# KiCad board EnvKB_HS.kicad_pcb (continued)
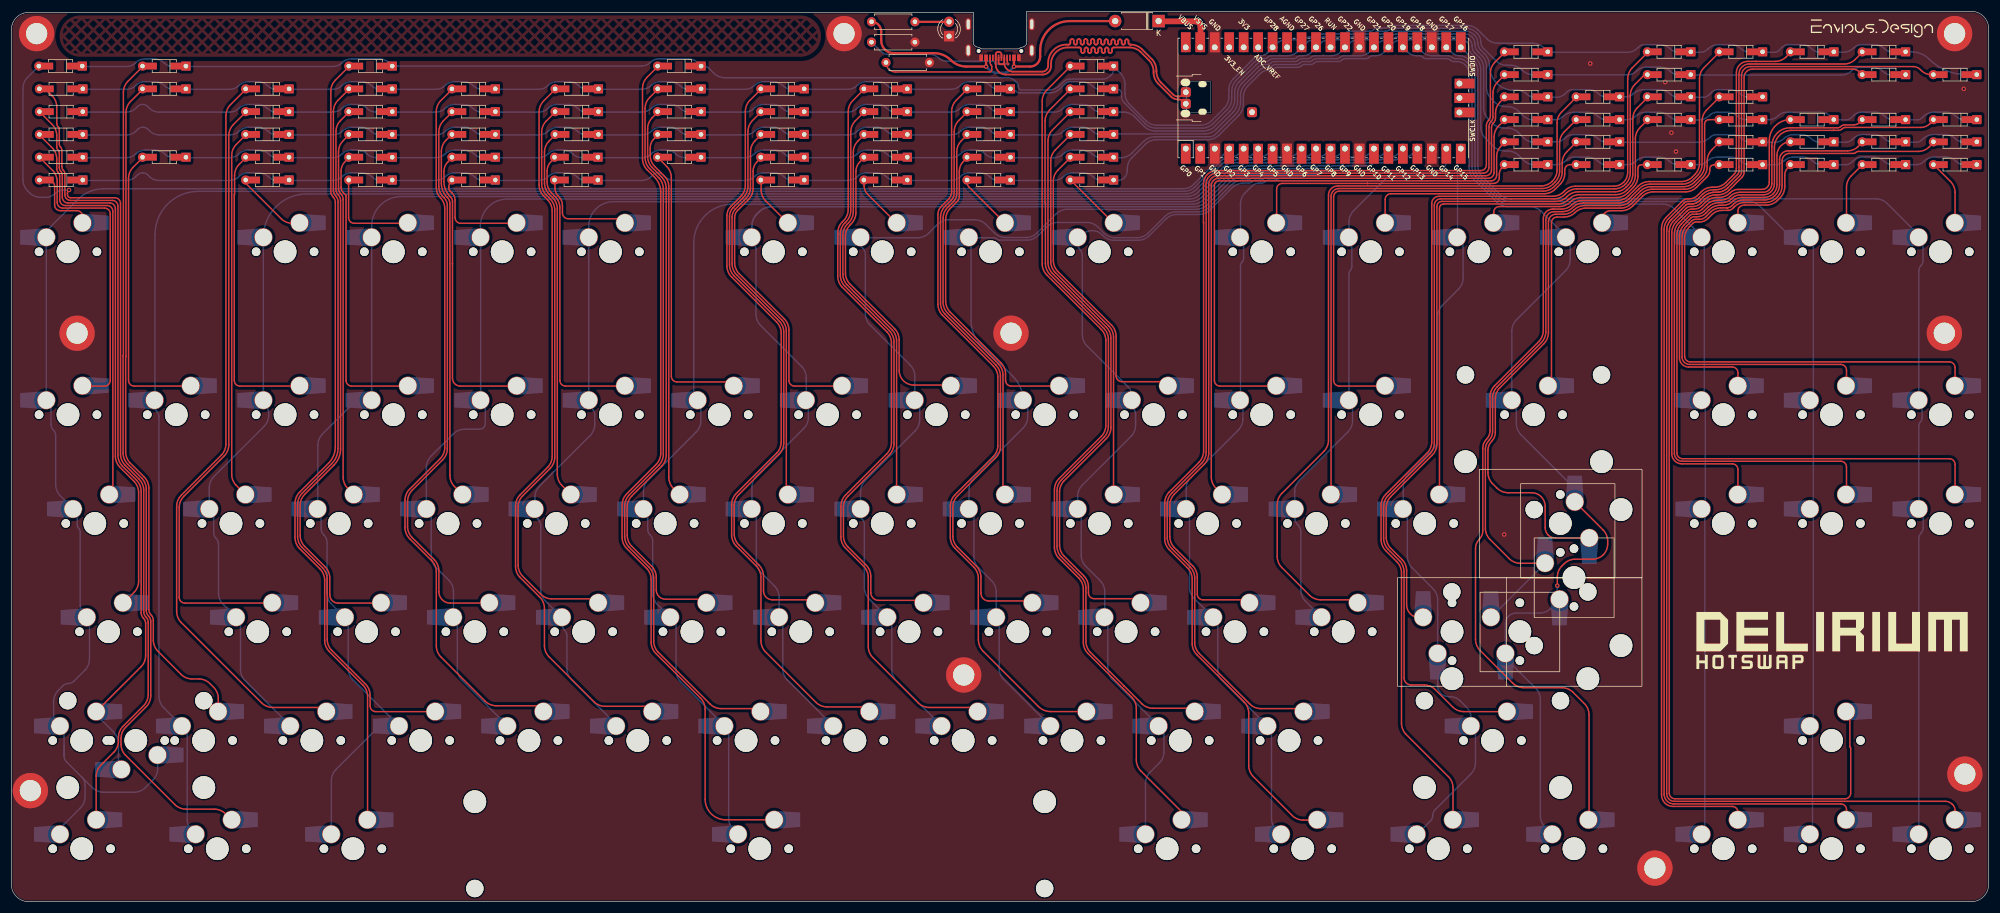
[diagram p0: board, top side]
## Routing (per net, layer and track width the routed paths; a pad name or vN(x,y) marks a point on that pad's centre or on a via; arc(x,y) is an arc through that point) (continued)
row4: length 320.5
  Bottom w0.25: 307.36,141.2 305,141.2 arc(304.12,141.38) 303.37,141.88 arc(302.63,142.37) 301.74,142.55 299.55,142.55 arc(298.88,142.42) 298.31,142.03 297.88,141.6 arc(297.43,141.3) 296.9,141.2 292.65,141.2 arc(291.77,141.38) 291.02,141.88 arc(290.28,142.37) 289.39,142.55 286.54,142.55 arc(285.44,142.33) 284.51,141.71 arc(284.04,141.4) 283.48,141.28 D61.1 279.9,141.28 arc(279.13,141.44) 278.47,141.88 arc(277.73,142.37) 276.84,142.55 273.98,142.55 arc(273.44,142.44) 272.98,142.13 272.71,141.86 arc(271.98,141.37) 271.12,141.2 267.35,141.2 arc(266.58,141.35) 265.93,141.78 arc(265.19,142.28) 264.3,142.46 263.5,142.46 arc(262.03,142.75) 260.78,143.58 260.69,143.68 arc(259.73,145.12) 259.39,146.82 259.39,146.86 arc(259.18,147.9) 258.59,148.78 257.89,149.48 arc(257.5,150.08) 257.36,150.78 arc(257.21,151.48) 256.82,152.08 256.72,152.18 arc(256.02,152.65) 255.19,152.81 242.73,152.81 arc(242.4,152.75) 242.12,152.56 arc(241.83,152.37) 241.5,152.31 240.19,152.31 arc(239.86,152.24) 239.57,152.05 arc(239.29,151.86) 238.96,151.8 235.36,151.8 arc(235.03,151.73) 234.75,151.54 arc(234.47,151.36) 234.14,151.29 231.27,151.29 arc(230.41,151.12) 229.68,150.63 228.14,149.09 arc(227.48,148.65) 226.7,148.5 226.22,148.5 arc(225.89,148.43) 225.61,148.24 arc(225.32,148.05) 224.99,147.99 221.39,147.99 arc(221.06,147.92) 220.78,147.73 arc(220.5,147.55) 220.17,147.48 219.76,147.48 arc(219.06,147.34) 218.46,146.94 215.48,143.96 arc(214.89,143.08) 214.68,142.03 214.68,140.73 arc(214.48,139.69) 213.89,138.81 211.16,136.08 arc(210.28,135.49) 209.24,135.29 200.75,135.29 arc(199.71,135.49) 198.82,136.08 197.1,137.8 arc(196.22,138.39) 195.18,138.6 191.27,138.6 arc(190.39,138.78) 189.64,139.27 arc(188.9,139.77) 188.01,139.95 186.26,139.95 arc(185.38,139.77) 184.63,139.27 arc(183.89,138.78) 183,138.6 173.42,138.6 arc(172.54,138.78) 171.79,139.27 arc(171.05,139.77) 170.16,139.95 168.16,139.95 arc(167.28,139.77) 166.53,139.27 arc(165.79,138.78) 164.9,138.6 155.27,138.6 arc(154.39,138.78) 153.64,139.27 arc(152.9,139.77) 152.01,139.95 150.06,139.95 arc(149.18,139.77) 148.43,139.27 arc(147.69,138.78) 146.8,138.6 139.16,138.6 ; 84.91,138.6 92.55,138.6 arc(93.44,138.78) 94.18,139.27 arc(94.93,139.77) 95.81,139.95 97.74,139.95 arc(98.63,139.77) 99.37,139.27 arc(100.12,138.78) 101,138.6 110.65,138.6 arc(111.54,138.78) 112.28,139.27 arc(113.03,139.77) 113.91,139.95 115.74,139.95 arc(116.63,139.77) 117.37,139.27 arc(118.12,138.78) 119,138.6 128.75,138.6 arc(129.64,138.78) 130.38,139.27 arc(131.13,139.77) 132.01,139.95 133.66,139.95 arc(134.55,139.77) 135.29,139.27 arc(136.04,138.78) 136.92,138.6 139.21,138.6 ; 12.56,138.6 20.2,138.6 arc(21.09,138.78) 21.83,139.27 22.14,139.58 arc(22.55,139.85) 23.03,139.95 arc(23.52,139.85) 23.93,139.58 24.23,139.27 arc(24.98,138.78) 25.86,138.6 38.3,138.6 arc(39.19,138.78) 39.93,139.27 arc(40.68,139.77) 41.56,139.95 43.26,139.95 arc(44.15,139.77) 44.89,139.27 arc(45.64,138.78) 46.52,138.6 56.4,138.6 arc(57.29,138.78) 58.03,139.27 arc(58.78,139.77) 59.66,139.95 60.76,139.95 arc(61.64,139.77) 62.39,139.27 arc(63.14,138.78) 64.02,138.6 74.5,138.6 arc(75.39,138.78) 76.13,139.27 arc(76.88,139.77) 77.76,139.95 79.34,139.95 arc(80.23,139.77) 80.97,139.27 arc(81.72,138.78) 82.6,138.6 84.96,138.6
row5: length 344.5
  Bottom w0.25: 294.86,145.1 321.05,145.1 arc(322.11,145.31) 323.01,145.91 arc(323.61,146.31) 324.31,146.45 326.79,146.45 arc(327.68,146.27) 328.42,145.77 arc(329.17,145.28) 330.05,145.1 332.48,145.1 ; 294.83,145.15 292.67,145.15 arc(291.79,145.33) 291.04,145.82 arc(290.3,146.32) 289.41,146.5 286.9,146.5 arc(286,146.32) 285.23,145.81 arc(284.5,145.32) 283.64,145.15 269.71,145.15 ; 84.91,142.6 92.55,142.6 arc(93.44,142.78) 94.18,143.27 arc(94.93,143.77) 95.81,143.95 97.89,143.95 arc(98.78,143.77) 99.52,143.27 arc(100.27,142.78) 101.15,142.6 110.65,142.6 arc(111.54,142.78) 112.28,143.27 arc(113.03,143.77) 113.91,143.95 115.66,143.95 arc(116.55,143.77) 117.29,143.27 arc(118.04,142.78) 118.92,142.6 128.75,142.6 arc(129.64,142.78) 130.38,143.27 arc(131.13,143.77) 132.01,143.95 133.74,143.95 arc(134.63,143.77) 135.37,143.27 arc(136.12,142.78) 137,142.6 139.21,142.6 ; 84.96,142.6 82.65,142.6 arc(81.77,142.78) 81.02,143.27 arc(80.28,143.77) 79.39,143.95 77.76,143.95 arc(76.88,143.77) 76.13,143.27 arc(75.39,142.78) 74.5,142.6 64.8,142.6 arc(63.92,142.78) 63.17,143.27 arc(62.43,143.77) 61.54,143.95 59.66,143.95 arc(58.78,143.77) 58.03,143.27 arc(57.29,142.78) 56.4,142.6 46.55,142.6 arc(45.67,142.78) 44.92,143.27 arc(44.18,143.77) 43.29,143.95 41.56,143.95 arc(40.68,143.77) 39.93,143.27 arc(39.19,142.78) 38.3,142.6 28.45,142.6 arc(27.57,142.78) 26.82,143.27 arc(26.08,143.77) 25.19,143.95 23.46,143.95 arc(22.58,143.77) 21.83,143.27 arc(21.09,142.78) 20.2,142.6 12.56,142.6 ; 139.16,142.6 146.8,142.6 arc(147.69,142.78) 148.43,143.27 arc(149.18,143.77) 150.06,143.95 152.09,143.95 arc(152.98,143.77) 153.72,143.27 arc(154.47,142.78) 155.35,142.6 164.9,142.6 arc(165.79,142.78) 166.53,143.27 arc(167.28,143.77) 168.16,143.95 170.14,143.95 arc(171.03,143.77) 171.77,143.27 arc(172.52,142.78) 173.4,142.6 175.53,142.6 arc(175.93,142.52) 176.28,142.29 arc(176.62,142.06) 177.03,141.98 182.21,141.98 arc(183.25,142.19) 184.13,142.78 184.95,143.59 arc(185.35,143.86) 185.81,143.95 187.96,143.95 arc(188.85,143.77) 189.59,143.27 arc(190.34,142.78) 191.22,142.6 194.12,142.6 arc(194.4,142.55) 194.63,142.39 arc(194.78,142.16) 194.83,141.89 194.83,141.45 arc(194.97,140.78) 195.35,140.21 198.97,136.59 arc(199.85,136) 200.89,135.8 208.98,135.8 arc(210.03,136) 210.91,136.59 213.38,139.06 arc(213.97,139.94) 214.18,140.99 214.18,142.29 arc(214.38,143.33) 214.97,144.21 218.21,147.45 arc(218.81,147.85) 219.51,147.99 219.91,147.99 arc(220.24,148.05) 220.52,148.24 arc(220.81,148.43) 221.14,148.5 223.96,148.5 arc(224.92,148.69) 225.74,149.23 227.22,150.72 arc(227.86,151.14) 228.61,151.29 229.06,151.29 arc(229.39,151.36) 229.67,151.54 arc(229.95,151.73) 230.28,151.8 233.88,151.8 arc(234.21,151.86) 234.5,152.05 arc(234.78,152.24) 235.11,152.31 238.71,152.31 arc(239.04,152.37) 239.32,152.56 arc(239.6,152.75) 239.93,152.81 241.25,152.81 arc(241.58,152.88) 241.86,153.07 arc(242.14,153.25) 242.47,153.32 255.26,153.32 arc(256.26,153.12) 257.1,152.56 257.32,152.34 arc(257.72,151.74) 257.86,151.03 arc(258,150.33) 258.4,149.73 260.56,147.58 arc(261.39,147.02) 262.37,146.82 263.16,146.82 arc(264.2,146.62) 265.08,146.03 265.14,145.97 arc(266.02,145.38) 267.06,145.18 269.68,145.18
row6: length 356.1
  Bottom w0.25: D87.1 333.48,149.19 arc(335.15,148.85) 336.56,147.91 arc(339.58,145.89) 343.14,145.19 D88.1 ; 12.56,146.6 20.2,146.6 arc(21.09,146.78) 21.83,147.27 arc(22.58,147.77) 23.46,147.95 25.14,147.95 arc(26.03,147.77) 26.77,147.27 arc(27.52,146.78) 28.4,146.6 56.4,146.6 arc(57.29,146.78) 58.03,147.27 arc(58.78,147.77) 59.66,147.95 64.67,147.95 arc(65.5,147.79) 66.2,147.32 arc(66.9,146.85) 67.73,146.69 110.59,146.69 arc(111.41,146.85) 112.12,147.32 arc(112.82,147.79) 113.64,147.95 118.87,147.95 arc(119.7,147.79) 120.4,147.32 ; 332.48,149.1 330.3,149.1 arc(329.42,149.28) 328.67,149.77 arc(327.93,150.27) 327.04,150.45 324.73,150.45 arc(323.96,150.3) 323.31,149.86 arc(322.47,149.3) 321.47,149.1 317.52,149.1 arc(316.64,149.28) 315.89,149.77 arc(315.15,150.27) 314.26,150.45 311.85,150.45 arc(311.27,150.34) 310.78,150.01 310.15,149.38 arc(309.84,149.17) 309.48,149.1 305.15,149.1 arc(304.27,149.28) 303.52,149.77 arc(302.78,150.27) 301.89,150.45 299.58,150.45 arc(298.58,150.25) 297.73,149.69 297.7,149.65 arc(297.09,149.24) 296.37,149.1 292.67,149.1 arc(291.79,149.28) 291.04,149.77 arc(290.3,150.27) 289.41,150.45 286.62,150.45 arc(286.05,150.34) 285.56,150.01 285.39,149.85 arc(284.57,149.29) 283.59,149.1 270.83,149.1 arc(269.79,149.31) 268.91,149.9 268.9,149.9 arc(268.02,150.49) 266.98,150.7 260.85,150.7 arc(259.81,150.91) 258.93,151.5 257.39,153.03 arc(256.51,153.62) 255.47,153.83 242.22,153.83 arc(241.89,153.76) 241.61,153.57 arc(241.33,153.39) 240.99,153.32 239.68,153.32 arc(239.35,153.25) 239.07,153.07 arc(238.79,152.88) 238.45,152.81 234.85,152.81 arc(234.52,152.75) 234.24,152.56 arc(233.96,152.37) 233.63,152.31 230.03,152.31 arc(229.7,152.24) 229.42,152.05 arc(229.13,151.86) 228.8,151.8 227.74,151.8 arc(227.41,151.73) 227.13,151.54 arc(226.85,151.36) 226.52,151.29 223.65,151.29 arc(222.79,151.12) 222.06,150.63 220.43,149 arc(219.87,148.63) 219.21,148.5 arc(218.55,148.36) 217.99,147.99 214.46,144.47 arc(213.87,143.58) 213.67,142.54 213.67,141.24 arc(213.46,140.2) 212.87,139.32 210.65,137.1 arc(209.77,136.51) 208.73,136.3 204.76,136.3 arc(204.76,136.3) 204.76,136.3 arc(204.76,136.3) 204.76,136.3 201.02,136.3 arc(199.98,136.51) 199.1,137.1 196.23,139.96 arc(195.64,140.85) 195.43,141.89 195.43,143.5 arc(195.23,144.54) 194.64,145.42 193.83,146.23 ; 121.53,146.69 arc(121.99,146.59) 122.39,146.33 123.29,145.43 arc(124.17,144.84) 125.21,144.63 174.8,144.63 arc(175.53,144.49) 176.15,144.08 176.47,143.76 arc(176.65,143.49) 176.71,143.18 176.71,143.09 arc(176.75,142.86) 176.88,142.66 arc(177.08,142.54) 177.3,142.49 182.08,142.49 arc(183.13,142.7) 184.01,143.29 184.68,143.96 arc(185.17,144.29) 185.74,144.4 191.48,144.4 arc(192.24,144.55) 192.88,144.98 193.09,145.19 arc(193.36,145.6) 193.46,146.08
USB2_N: length 56.1
  Top w0.3: USB1.A7 173.25,147.24 arc(173.32,147.07) 173.49,147 174.01,147 arc(174.18,147.07) 174.25,147.24 ; 174.25,147.24 USB1.B7 ; 174.25,147.24 arc(174.7,146.15) 175.79,145.7 180.89,145.7 arc(181.64,146.01) 181.95,146.76 181.95,147.24 arc(182.89,149.51) 185.16,150.45 185.55,150.45 arc(185.76,150.54) 185.85,150.75 185.85,151.15 arc(185.94,151.36) 186.15,151.45 arc(186.36,151.36) 186.45,151.15 186.45,150.75 arc(186.54,150.54) 186.75,150.45 arc(186.96,150.54) 187.05,150.75 187.05,151.15 arc(187.14,151.36) 187.35,151.45 arc(187.56,151.36) 187.65,151.15 187.65,150.75 arc(187.74,150.54) 187.95,150.45 arc(188.16,150.54) 188.25,150.75 188.25,151.15 arc(188.34,151.36) 188.55,151.45 arc(188.76,151.36) 188.85,151.15 188.85,150.75 arc(188.94,150.54) 189.15,150.45 arc(189.36,150.54) 189.45,150.75 189.45,151.15 arc(189.54,151.36) 189.75,151.45 arc(189.96,151.36) 190.05,151.15 190.05,150.75 arc(190.14,150.54) 190.35,150.45 arc(190.56,150.54) 190.65,150.75 190.65,151.15 arc(190.74,151.36) 190.95,151.45 arc(191.16,151.36) 191.25,151.15 191.25,150.75 arc(191.34,150.54) 191.55,150.45 arc(191.76,150.54) 191.85,150.75 191.85,151.08 arc(191.94,151.3) 192.15,151.38 arc(192.36,151.3) 192.45,151.08 192.45,150.75 arc(192.54,150.54) 192.75,150.45 arc(192.96,150.54) 193.05,150.75 193.05,151.08 arc(193.14,151.3) 193.35,151.38 arc(193.56,151.3) 193.65,151.08 193.65,150.75 arc(193.74,150.54) 193.95,150.45 arc(194.16,150.54) 194.25,150.75 194.25,151.08 arc(194.34,151.3) 194.55,151.38 arc(194.76,151.3) 194.85,151.08 194.85,150.75 arc(194.94,150.54) 195.15,150.45 arc(195.36,150.54) 195.45,150.75 195.45,151.08 arc(195.54,151.3) 195.75,151.38 arc(195.96,151.3) 196.05,151.08 196.05,150.75 arc(196.14,150.54) 196.35,150.45 196.48,150.45 arc(197.52,150.24) 198.4,149.65 200.15,147.9 arc(200.74,147.02) 200.95,145.98 200.95,145.73 arc(201.16,144.69) 201.75,143.81 203.82,141.73 arc(204.26,141.44) 204.78,141.33 204.8,141.33 arc(205.3,141.43) 205.72,141.72
USB2_P: length 53
  Top w0.3: USB1.A6 173.75,148.75 arc(173.63,149.03) 173.35,149.15 173.1,149.15 arc(172.85,149.05) 172.75,148.8 172.75,146.92 arc(173.25,145.7) 174.47,145.2 181.02,145.2 arc(182.03,145.62) 182.45,146.63 182.45,147.04 arc(183.3,149.1) 185.36,149.95 187.44,149.95 arc(187.66,149.86) 187.74,149.65 187.74,149.26 arc(187.83,149.04) 188.04,148.96 arc(188.26,149.04) 188.34,149.26 188.34,149.65 arc(188.43,149.86) 188.64,149.95 arc(188.86,149.86) 188.94,149.65 188.94,149.26 arc(189.03,149.04) 189.24,148.96 arc(189.46,149.04) 189.54,149.26 189.54,149.65 arc(189.63,149.86) 189.84,149.95 arc(190.06,149.86) 190.14,149.65 190.14,149.26 arc(190.23,149.04) 190.44,148.96 arc(190.66,149.04) 190.74,149.26 190.74,149.65 arc(190.83,149.86) 191.04,149.95 arc(191.26,149.86) 191.34,149.65 191.34,149.26 arc(191.43,149.04) 191.64,148.96 arc(191.86,149.04) 191.94,149.26 191.94,149.65 arc(192.03,149.86) 192.24,149.95 arc(192.46,149.86) 192.54,149.65 192.54,149.26 arc(192.63,149.04) 192.84,148.96 arc(193.06,149.04) 193.14,149.26 193.14,149.65 arc(193.23,149.86) 193.44,149.95 196.27,149.95 arc(197.31,149.74) 198.19,149.15 199.65,147.69 arc(200.24,146.81) 200.45,145.77 200.45,145.52 arc(200.66,144.48) 201.25,143.6 203.54,141.31 arc(204.06,140.96) 204.68,140.83 204.8,140.83 arc(205.3,140.74) 205.72,140.45
USBVBUS: length 56.1
  Top w0.4: D89.2 185.74,154.58 arc(182.07,153.06) 180.55,149.4 180.55,148.36 arc(180.03,147.12) 178.79,146.6 v1(175.95,146.6) USB1.A4 ; USB1.A9 v1(171.05,146.6) 167.63,146.6 arc(166.12,146.9) 164.85,147.75 arc(163.52,148.64) 161.95,148.95 154.85,148.95 arc(153.29,149.59) 152.65,151.15 152.65,152.76 arc(152.15,153.96) LEDRESISTOR1.1
  Bottom w0.4: v1(171.05,146.6) 171.6,146.05 arc(172.21,145.64) 172.93,145.5 174.07,145.5 arc(174.79,145.64) 175.4,146.05 v1(175.95,146.6)
VSYS: length 11.5
  Top w1: 201.34,154.53 207.69,154.53 arc(208.4,154.24) 208.69,153.54 208.69,149.97
Net-(D0-A): length 10.9
  Top w0.25: 6.58,126.6 arc(7.29,126.31) 7.58,125.6 7.58,122.3 arc(7.88,121.59) 8.58,121.3 11.5,121.3 arc(12.21,121.01) 12.5,120.3
Net-(D1-A): length 10.9
  Top w0.25: 41.14,126.1 47.36,119.88 arc(48.24,119.29) 49.28,119.08
Net-(D2-A): length 17.5
  Top w0.25: 69.65,119.08 60.18,119.08 arc(59.47,119.37) 59.18,120.08 59.18,126.54
Net-(D3-A): length 18.2
  Top w0.25: 88.7,119.08 78.86,119.08 arc(78.15,119.37) 77.86,120.08 77.86,123.19 arc(77.73,123.83) 77.36,124.38 76.98,124.76 arc(76.82,125.01) 76.76,125.3 76.76,125.44 arc(76.87,125.98) 77.17,126.43
Net-(D4-A): length 16.4
  Top w0.25: 106.94,119.88 97.71,119.88 arc(97,120.18) 96.71,120.88 96.71,122.2 arc(96.54,123.07) 96.05,123.8 95.97,123.87 arc(95.54,124.52) 95.39,125.28 95.39,126.1
Net-(D5-A): length 9.4
  Top w0.25: 136.32,119.08 132.37,123.03 arc(131.79,123.91) 131.58,124.95 131.58,126.6
Net-(D6-A): length 9.8
  Top w0.25: 149.64,126.6 149.64,125.71 arc(149.8,124.88) 150.27,124.18 155.37,119.08
Net-(D7-A): length 9.8
  Top w0.25: 174.42,119.08 168.03,125.47 arc(167.81,125.8) 167.74,126.18
Net-(D8-A): length 10.6
  Top w0.25: 193.47,119.08 185.95,126.6
Net-(D9-A): length 48.1
  Top w0.25: 222.05,119.08 222.05,125.09 arc(222.34,125.79) 223.05,126.09 237.97,126.09 260.13,126.09 arc(260.84,126.38) 261.13,127.09 261.13,127.72 arc(261.26,128.34) 261.61,128.87
Net-(D10-A): length 41.3
  Top w0.25: 241.1,119.08 241.1,123.28 arc(241.39,123.98) 242.1,124.28 269.01,124.28 arc(270.06,124.48) 270.94,125.07 271.87,126 arc(272.42,126.82) 272.61,127.79 272.61,128.44 arc(272.68,128.8) 272.89,129.11 arc(273.19,129.31) 273.56,129.38 D10.2
Net-(D11-A): length 33.7
  Top w0.25: 260.15,119.08 260.15,121.03 arc(260.44,121.73) 261.15,122.03 271.68,122.03 arc(272.71,122.23) 273.58,122.81 arc(274.46,123.4) 275.49,123.6 281.72,123.6 arc(282.76,123.81) 283.64,124.4 284.66,125.42 arc(285.25,126.3) 285.46,127.34 285.46,128.8 arc(285.5,129.01) 285.62,129.19 arc(285.8,129.31) 286,129.35 287.19,129.35
Net-(D12-A): length 24.4
  Top w0.25: 299.74,129.35 298.79,129.35 arc(298.51,129.29) 298.27,129.13 arc(298.11,128.9) 298.06,128.61 298.06,128.32 arc(297.95,127.76) 297.63,127.29 295.75,125.41 arc(294.86,124.82) 293.82,124.61 288.16,124.61 arc(287.12,124.4) 286.24,123.81 284.52,122.09 arc(283.63,121.5) 282.59,121.3 280.68,121.3 arc(280.11,121.18) 279.63,120.86 279.2,120.43
Net-(D13-A): length 16.9
  Top w0.25: 312.29,129.35 311.76,128.82 arc(311.36,128.23) 311.23,127.54 311.23,125.5 arc(311.02,124.45) 310.43,123.57 309.93,123.08 arc(309.05,122.49) 308.01,122.28 304.16,122.28 arc(303.68,122.18) 303.27,121.91 arc(303.08,121.62) 303.01,121.29 303.01,119.08
Net-(D14-A): length 11.3
  Top w0.25: 324.84,129.35 322.86,127.37 arc(322.27,126.49) 322.06,125.45 322.06,119.08
Net-(D15-A): length 11.7
  Top w0.25: 337.39,129.35 340.31,126.42 arc(340.9,125.54) 341.11,124.5 341.11,119.08
Net-(D16-A): length 54.2
  Top w0.25: D16.2 7.24,128.36 arc(7.83,127.48) 8.03,126.44 8.03,122.75 arc(8.33,122.04) 9.03,121.75 16.35,121.75 arc(17.06,121.46) 17.35,120.75 17.35,91.5 arc(17.06,90.8) 16.35,90.5 12.5,90.5
Net-(D17-A): length 51.6
  Top w0.25: 31.55,90.5 21.56,90.5 arc(20.85,90.8) 20.56,91.5 20.56,126.99 arc(20.76,128.03) 21.35,128.91 23.04,130.6
Net-(D18-A): length 51.9
  Top w0.25: 41.14,130.6 39.97,129.43 arc(39.38,128.55) 39.17,127.5 39.17,124.23 arc(39.16,124.19) 39.14,124.16 arc(39.12,124.13) 39.11,124.09 39.11,91.5 arc(39.4,90.8) 40.11,90.5 50.6,90.5
Net-(D19-A): length 51.4
  Top w0.25: 59.24,130.6 58.55,129.91 arc(58.04,129.15) 57.86,128.24 57.86,125.45 arc(57.97,124.9) 58.28,124.42 58.7,124.01 arc(58.71,124) 58.72,124 arc(58.72,124) 58.73,123.99 58.73,91.5 arc(59.02,90.8) 59.73,90.5 69.65,90.5
Net-(D20-A): length 51.7
  Top w0.25: 77.34,130.6 76.62,129.88 arc(76.09,129.09) 75.91,128.16 75.91,126.46 arc(76.2,124.97) 77.04,123.71 77.13,123.63 arc(77.34,123.32) 77.41,122.95 77.41,111.97 arc(77.41,111.97) 77.41,111.97 77.41,91.88 arc(77.81,90.91) 78.79,90.5 88.7,90.5
Net-(D21-A): length 52.3
  Top w0.25: 107.75,90.5 97.26,90.5 arc(96.55,90.8) 96.26,91.5 96.26,121.82 arc(96.05,122.86) 95.46,123.75 94.8,124.4 arc(94.22,125.29) 94.01,126.33 94.01,128.24 arc(94.19,129.15) 94.7,129.91 95.39,130.6
Net-(D22-A): length 50
  Top w0.25: 113.48,130.6 115.02,129.06 arc(115.61,128.17) 115.82,127.13 115.82,92.23 arc(116.11,91.52) 116.82,91.23 126.07,91.23
Net-(D23-A): length 54.4
  Top w0.25: 131.57,130.6 130.86,129.89 arc(130.34,129.11) 130.16,128.19 130.16,125.18 arc(129.95,124.14) 129.36,123.25 127.45,121.35 arc(127.06,120.76) 126.93,120.07 126.93,112.16 arc(127.13,111.12) 127.72,110.23 135.65,102.3 arc(136.24,101.42) 136.45,100.38 136.45,91.5 arc(136.74,90.8) 137.45,90.5 145.85,90.5
Net-(D24-A): length 52.6
  Top w0.25: 149.64,130.6 148.92,129.88 arc(148.39,129.09) 148.21,128.16 148.21,120.94 arc(148,119.9) 147.41,119.02 147.17,118.78 arc(146.58,117.89) 146.38,116.85 146.38,110.33 arc(146.58,109.29) 147.17,108.41 155,100.58 arc(155.59,99.69) 155.8,98.65 155.8,93.25 arc(156.55,91.44) 158.37,90.68 164.9,90.68
Net-(D25-A): length 54.6
  Top w0.25: 183.95,90.5 175.47,90.5 arc(174.77,90.8) 174.47,91.5 174.47,92.65 arc(174.27,93.69) 173.68,94.58 164.75,103.5 arc(164.17,104.38) 163.96,105.42 163.96,119.77 arc(164.17,120.81) 164.75,121.7 166.02,122.96 arc(166.27,123.34) 166.36,123.78 166.36,128.24 arc(166.54,129.15) 167.05,129.91 167.74,130.6
Net-(D26-A): length 53.5
  Top w0.25: 185.84,130.6 183.65,128.42 arc(183.07,127.53) 182.86,126.49 182.86,112.55 arc(183.07,111.51) 183.65,110.62 193.08,101.2 arc(193.67,100.32) 193.87,99.28 193.87,92.28 arc(194.17,91.57) 194.87,91.28 203,91.28
Net-(D27-A): length 102.6
  Top w0.25: 222.05,90.5 212.13,90.5 arc(211.42,90.8) 211.13,91.5 211.13,125.78 arc(211.35,126.31) 211.88,126.54 259.66,126.54 arc(260.37,126.83) 260.66,127.54 260.66,130.86 arc(260.84,131.79) 261.37,132.59 262.09,133.3
Net-(D28-A): length 90.5
  Top w0.25: 241.1,90.5 233.05,90.5 arc(232.34,90.8) 232.05,91.5 232.05,123.73 arc(232.34,124.44) 233.05,124.73 268.84,124.73 arc(269.88,124.94) 270.76,125.53 271.36,126.13 arc(271.95,127.01) 272.16,128.05 272.16,129.69 arc(272.37,130.73) 272.95,131.62 274.64,133.3
Net-(D29-A): length 64.6
  Top w0.25: 270.28,91.11 270.28,119.19 arc(270.58,119.89) 271.28,120.19 272.52,120.19 arc(273.54,120.39) 274.41,120.97 arc(275.27,121.54) 276.29,121.75 282.41,121.75 arc(283.45,121.95) 284.33,122.54 286.05,124.26 arc(286.93,124.85) 287.97,125.06 293.64,125.06 arc(294.68,125.27) 295.56,125.86 296.81,127.11 arc(297.4,127.99) 297.61,129.03 297.61,130.04 arc(297.81,131.08) 298.4,131.97 299.74,133.3
Net-(D30-A): length 65.7
  Top w0.25: 303.01,90.5 303.01,92.85 arc(302.72,93.56) 302.01,93.85 294.34,93.85 arc(293.22,94.32) 292.75,95.45 292.75,116.88 arc(292.96,117.92) 293.55,118.8 294.74,120 arc(295,120.17) 295.3,120.22 295.85,120.22 arc(296.65,120.39) 297.34,120.84 297.95,121.45 arc(298.83,122.04) 299.87,122.25 300.42,122.25 arc(301.32,122.43) 302.08,122.94 arc(302.85,123.45) 303.75,123.63 307.63,123.63 arc(308.48,123.8) 309.21,124.28 arc(309.69,125.01) 309.86,125.86 309.86,131.03 arc(310.55,132.7) D30.2
Net-(D31-A): length 95.9
  Top w0.25: 322.06,90.5 322.06,93.3 arc(321.77,94.01) 321.06,94.3 294.5,94.3 arc(293.58,94.69) 293.2,95.61 293.2,116.69 arc(293.41,117.73) 294,118.61 294.86,119.48 arc(295.19,119.7) 295.58,119.77 296.24,119.77 arc(296.86,119.9) 297.38,120.24 298.18,121.04 arc(299.01,121.6) 300,121.8 301.07,121.8 arc(301.54,121.89) 301.94,122.16 302.23,122.45 arc(303.04,122.99) 304,123.18 307.63,123.18 arc(308.65,123.38) 309.52,123.96 arc(310.1,124.83) 310.31,125.86 310.31,130.32 arc(310.74,131.37) 311.79,131.8 322.28,131.8 arc(323.26,131.99) 324.09,132.55 324.84,133.3
Net-(D32-A): length 126.5
  Top w0.25: 341.11,90.5 341.11,93.76 arc(340.82,94.46) 340.11,94.75 294.65,94.75 arc(293.94,95.05) 293.65,95.75 293.65,116.5 arc(293.86,117.54) 294.45,118.43 295.13,119.11 arc(295.35,119.26) 295.61,119.31 296.25,119.31 arc(297.07,119.47) 297.76,119.94 298.45,120.63 arc(299.25,121.16) 300.19,121.35 301.27,121.35 arc(301.73,121.44) 302.12,121.7 302.46,122.04 arc(303.22,122.55) 304.12,122.73 307.82,122.73 arc(308.86,122.94) 309.75,123.53 309.96,123.74 arc(310.55,124.62) 310.76,125.66 310.76,130.04 arc(311.14,130.97) 312.07,131.35 323.28,131.35 arc(323.51,131.4) 323.7,131.52 arc(323.89,131.65) 324.12,131.7 334.66,131.7 arc(335.7,131.91) 336.58,132.5 337.39,133.3
Net-(D33-A): length 72.3
  Top w0.25: 17.8,71.99 17.8,121.2 arc(17.51,121.91) 16.8,122.2 9.48,122.2 arc(8.78,122.49) 8.48,123.2 8.48,127.38 arc(8.41,127.72) 8.22,128.01 arc(8.03,128.3) 7.96,128.65 7.96,130.41 arc(7.75,131.45) 7.16,132.33 4.91,134.58
Net-(D34-A): length 64.9
  Top w0.25: 41.07,71.45 39.46,73.07 arc(38.87,73.95) 38.66,74.99 38.66,131 arc(38.87,132.04) 39.46,132.92 41.14,134.6
Net-(D35-A): length 64.7
  Top w0.25: 59.24,134.6 58.2,133.57 arc(57.62,132.68) 57.41,131.64 57.41,125.24 arc(57.51,124.71) 57.81,124.26 arc(58.11,123.81) 58.22,123.28 58.22,74.49 arc(58.43,73.44) 59.02,72.56 60.12,71.45
Net-(D36-A): length 65
  Top w0.25: 77.21,134.6 76.25,133.65 arc(75.67,132.76) 75.46,131.72 75.46,126.09 arc(75.72,124.77) 76.47,123.65 76.53,123.59 arc(76.85,123.12) 76.96,122.56 76.96,74.8 arc(77.17,73.76) 77.75,72.87 79.17,71.45
Net-(D37-A): length 65.4
  Top w0.25: 95.44,134.6 94.35,133.52 arc(93.77,132.63) 93.56,131.59 93.56,126.14 arc(93.77,125.1) 94.35,124.22 95.01,123.56 arc(95.6,122.68) 95.81,121.64 95.81,75 arc(96.02,73.96) 96.6,73.07 98.22,71.45
Net-(D38-A): length 65.4
  Top w0.25: 117.27,71.45 116.17,72.56 arc(115.58,73.44) 115.37,74.49 115.37,125.59 arc(115.18,126.51) 114.66,127.3 112.9,129.05 arc(112.32,129.94) 112.11,130.98 112.11,132.33 arc(112.28,133.2) 112.77,133.94 113.44,134.6
Net-(D39-A): length 68.3
  Top w0.25: 131.54,134.6 130.5,133.57 arc(129.92,132.68) 129.71,131.64 129.71,125.36 arc(129.5,124.32) 128.91,123.44 127.07,121.59 arc(126.63,120.94) 126.47,120.17 126.47,111.97 arc(126.68,110.93) 127.27,110.05 135.2,102.12 arc(135.79,101.23) 136,100.19 136,71.78
Net-(D40-A): length 68
  Top w0.25: 155.35,71.48 155.35,98.47 arc(155.14,99.51) 154.55,100.39 146.72,108.22 arc(146.13,109.1) 145.92,110.15 145.92,117.04 arc(146.13,118.08) 146.72,118.96 146.96,119.2 arc(147.55,120.09) 147.76,121.13 147.76,131.59 arc(147.97,132.63) 148.55,133.52 149.64,134.6
Net-(D41-A): length 68.3
  Top w0.25: 174.03,71.85 174.03,92.47 arc(173.82,93.51) 173.23,94.39 164.3,103.31 arc(163.72,104.2) 163.51,105.24 163.51,119.96 arc(163.72,121) 164.3,121.88 165.35,122.92 arc(165.76,123.55) 165.91,124.28 165.91,131.64 arc(166.12,132.68) 166.7,133.57 167.74,134.6
Net-(D42-A): length 68.7
  Top w0.25: 193.43,71.5 193.43,99.09 arc(193.22,100.13) 192.63,101.02 183.2,110.44 arc(182.62,111.32) 182.41,112.36 182.41,130.04 arc(182.62,131.08) 183.2,131.97 185.84,134.6
Net-(D43-A): length 115.8
  Top w0.25: 212.52,71.45 211.38,72.6 arc(210.79,73.48) 210.58,74.52 210.58,125.73 arc(210.95,126.62) 211.84,126.99 259.21,126.99 arc(259.92,127.28) 260.21,127.99 260.21,134.24 arc(260.42,135.28) 261,136.17 262.09,137.25
Net-(D44-A): length 105
  Top w0.25: 231.6,71.48 231.6,123.81 arc(232,124.78) 232.98,125.18 268.65,125.18 arc(269.69,125.39) 270.58,125.98 270.91,126.32 arc(271.5,127.2) 271.71,128.24 271.71,133.19 arc(271.92,134.23) 272.5,135.12 274.64,137.25
Net-(D45-A): length 97.9
  Top w0.25: 287.19,137.25 285.8,135.87 arc(285.22,134.98) 285.01,133.94 285.01,127.53 arc(284.8,126.49) 284.21,125.6 283.52,124.91 arc(282.63,124.32) 281.59,124.11 275.25,124.11 arc(274.2,123.9) 273.32,123.31 273.28,123.27 arc(272.4,122.68) 271.36,122.48 251.36,122.48 arc(250.84,122.26) 250.62,121.73 250.62,71.45
Net-(D46-A): length 115.9
  Top w0.25: 299.72,137.28 297.93,137.28 arc(297.63,137.23) 297.38,137.06 arc(297.22,136.81) 297.16,136.52 297.16,129.22 arc(296.95,128.17) 296.36,127.29 295.37,126.31 arc(294.49,125.72) 293.45,125.51 287.79,125.51 arc(286.75,125.3) 285.86,124.71 284.14,122.99 arc(283.26,122.4) 282.22,122.2 276.07,122.2 arc(275.08,122) 274.24,121.44 arc(273.4,120.87) 272.4,120.68 271.06,120.68 arc(270.13,120.29) 269.75,119.37 269.75,99.87 arc(269.54,98.83) 268.95,97.95 261.23,90.22 arc(260.64,89.34) 260.43,88.3 260.43,82.38 arc(260.26,81.53) 259.78,80.8 arc(259.3,80.08) 259.13,79.23 259.13,75.31 arc(259.34,74.27) 259.93,73.39 260.74,72.58 arc(261.62,71.99) 262.66,71.78 266.8,71.78 arc(267.71,71.6) 268.48,71.09 arc(269,70.32) 269.18,69.41 269.18,65.64 arc(269.31,64.94) 269.71,64.35 arc(270.3,63.96) 270.99,63.82 276.96,63.82